# KiCad board digital_board_v1.kicad_pcb (continued)
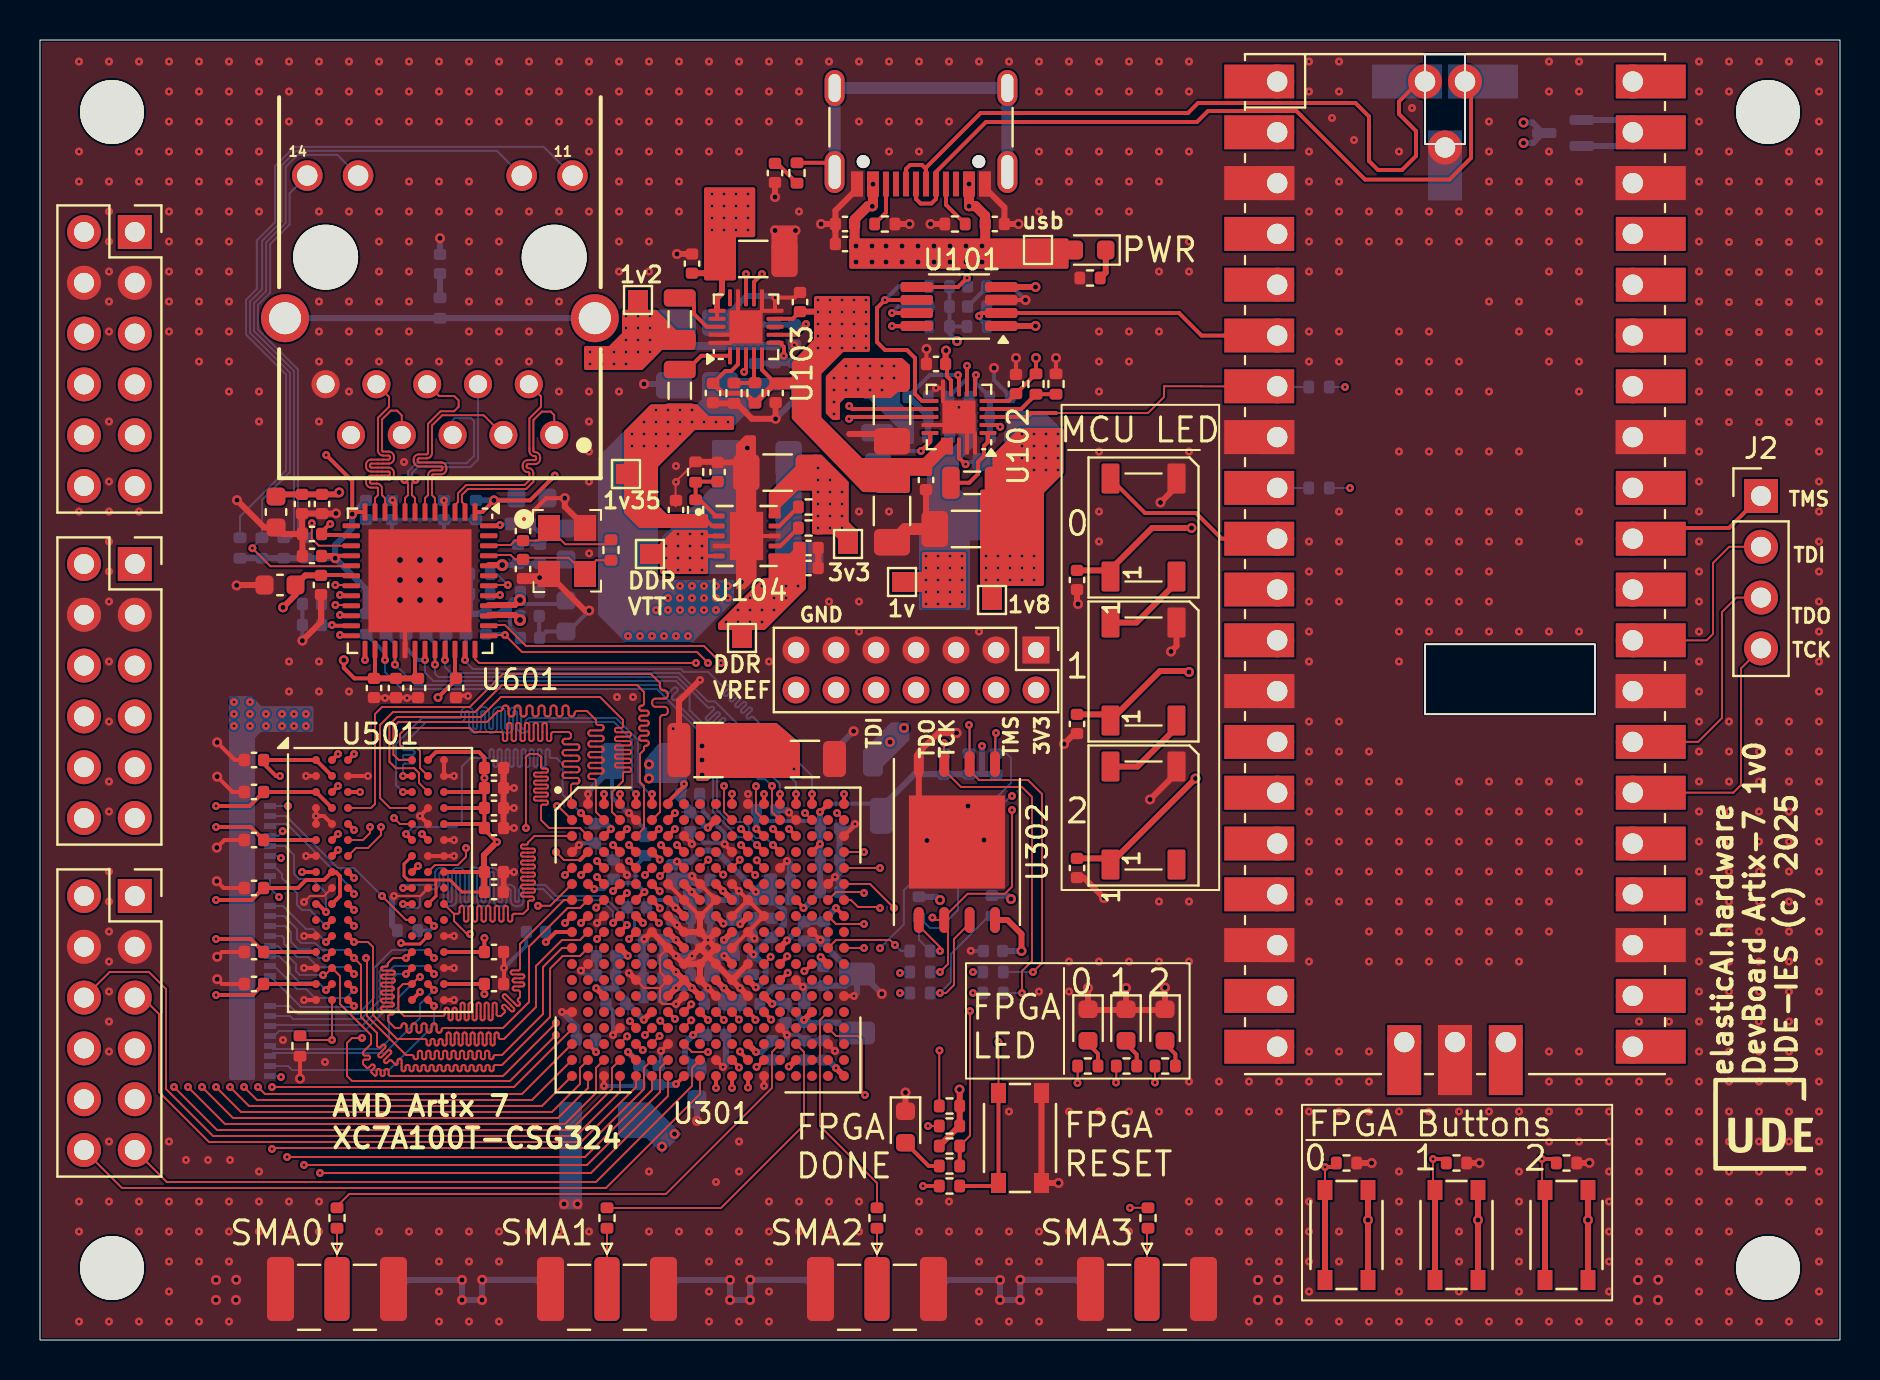
[diagram p0: board, top side]
## Library data of the parts
C101-C121 C124-C131 C144 C201-C207 C301-C328 C401-C428 C501-C514 C601-C628 L101-L105 = -: Description: Unpolarized capacitor; ki_fp_filters: C_*
D8 = -: Datasheet: https://assets.nexperia.com/documents/data-sheet/BAT54W_SER.pdf; Description: Dual schottky barrier diode, common anode, SOT-323; ki_fp_filters: SOT?323*
D201-D203 = -: Datasheet: https://cdn-shop.adafruit.com/datasheets/WS2812B.pdf; Description: RGB LED with integrated controller; ki_fp_filters: LED*WS2812*PLCC*5.0x5.0mm*P3.2mm*
D204 D301-D303 D401 = -: Description: Light emitting diode; ki_fp_filters: LED* LED_SMD:* LED_THT:*
H1-H4 = -: Description: Mounting Hole without connection; ki_fp_filters: MountingHole*
J2 = -: Description: Generic connector, single row, 01x04, script generated (kicad-library-utils/schlib/autogen/connector/); ki_fp_filters: Connector*:*_1x??_*
J3 = -: Datasheet: https://www.usb.org/sites/default/files/documents/usb_type-c.zip; Description: USB Full-Featured Type-C Receptacle connector; ki_fp_filters: USB*C*Receptacle*
J401 = -: Description: IDC10 Pinheader for JTAG Debugging; ki_fp_filters: IDC?Header*2x05* Pin?Header*2x05*
J601 = -: Datasheet: https://www.we-online.com/components/products/datasheet/7499111121A.pdf; Description: RJ45 Header; Author: Antmicro; License: Apache-2.0; MPN: L834-1G1T-S7; Manufacturer: Wuerth Elektronik
R101-R118 R121-R124 R201-R206 R301-R312 R316-R320 R401-R405 R504 R505 R601-R616 = -: Description: Resistor; ki_fp_filters: R_*
R313-R315 = -: ki_fp_filters: R_*
R501-R503 = -: Description: Array of 8 resisters with 51 Ohm; ki_fp_filters: SMD16_EXB2HV_0602X8_PAN SMD16_EXB2HV_0602X8_PAN-M SMD16_EXB2HV_0602X8_PAN-L
S301-S303 S401 = -: Datasheet: https://configured-product-images.s3.amazonaws.com/2D/specs/TL3365AF180QG.pdf; Height: 2.5; Mouser Part Number: 612-TL3365AF180QG; Mouser Price/Stock: https://www.mouser.co.uk/ProductDetail/E-Switch/TL3365AF180QG?qs=xQzBpF%2FAFTo%252BA4IL7l2Rvw%3D%3D; Manufacturer_Name: E-Switch
TP1-TP8 = -: Description: test point (alternative probe-style design); ki_fp_filters: Pin* Test*
U11 = -: Datasheet: https://www.raspberrypi.com/documentation/microcontrollers/raspberry-pi-pico.html; Description: MCU RPi Pico (W)
U101 = -: Datasheet: http://www.ti.com/lit/gpn/lm3881; Description: 3 Rail Simple Power Sequencer with Adjustable Time Delay; Height: 1.1; Mouser Part Number: 926-LM3881MME/NOPB; Mouser Price/Stock: https://www.mouser.co.uk/ProductDetail/Texas-Instruments/LM3881MME-NOPB?qs=QbsRYf82W3H9n%252B5XBS84Kg%3D%3D; Manufacturer_Name: Texas Instruments; Manufacturer_Part_Number: LM3881MME/NOPB
U102 U103 = -: Datasheet: https://www.analog.com/en/products/ltc3569.html
U301 = -: Datasheet: https://docs.amd.com/v/u/en-US/ds181_Artix_7_Data_Sheet; Description: AMD Artix-7 (100T, CSG324)
U302 = -: Datasheet: https://www.mouser.de/datasheet/2/196/Infineon_S25FL128SS25FL256S_128_Mb__16_MB_256_Mb__-3363490.pdf
U501 = -: Datasheet: https://www.alliancememory.com/wp-content/uploads/pdf/ddr3/4GB-AS4C256M16D3.pdf; Manufacturer: Alliance Memory; Author: Antmicro; License: Apache-2.0
U601 = -: Datasheet: http://ww1.microchip.com/downloads/en/DeviceDoc/00002117F.pdf; Manufacturer: Microchip; Author: Antmicro; License: Apache-2.0
Y601 = -: Datasheet: https://www.mouser.pl/datasheet/2/3/ABM8G-1608872.pdf; MPN: ABM8G-25.000MHZ-18-D2Y-T3; Manufacturer: Abracon; Author: Antmicro; License: Apache-2.0; Val: 25.000MHz

## Footprints (pads in the part's own frame, mm; a bottom-side part is the same pattern mirrored in y, then rotated)
BGA-96_9.0x13.0mm_Layout2x3x16_P0.8mm
  round 0.4 smd: A1(-3.2,6) A2(-2.4,6) A3(-1.6,6) A7(1.6,6) A8(2.4,6) A9(3.2,6) B1(-3.2,5.2) B2(-2.4,5.2) B3(-1.6,5.2) B7(1.6,5.2) B8(2.4,5.2) B9(3.2,5.2) C1(-3.2,4.4) C2(-2.4,4.4) C3(-1.6,4.4) C7(1.6,4.4) C8(2.4,4.4) C9(3.2,4.4) D1(-3.2,3.6) D2(-2.4,3.6) D3(-1.6,3.6) D7(1.6,3.6) D8(2.4,3.6) D9(3.2,3.6) E1(-3.2,2.8) E2(-2.4,2.8) E3(-1.6,2.8) E7(1.6,2.8) E8(2.4,2.8) E9(3.2,2.8) F1(-3.2,2) F2(-2.4,2) F3(-1.6,2) F7(1.6,2) F8(2.4,2) F9(3.2,2) G1(-3.2,1.2) G2(-2.4,1.2) G3(-1.6,1.2) G7(1.6,1.2) G8(2.4,1.2) G9(3.2,1.2) H1(-3.2,0.4) H2(-2.4,0.4) H3(-1.6,0.4) H7(1.6,0.4) H8(2.4,0.4) H9(3.2,0.4) J1(-3.2,-0.4) J2(-2.4,-0.4) J3(-1.6,-0.4) J7(1.6,-0.4) J8(2.4,-0.4) J9(3.2,-0.4) K1(-3.2,-1.2) K2(-2.4,-1.2) K3(-1.6,-1.2) K7(1.6,-1.2) K8(2.4,-1.2) K9(3.2,-1.2) L1(-3.2,-2) L2(-2.4,-2) L3(-1.6,-2) L7(1.6,-2) L8(2.4,-2) L9(3.2,-2) M1(-3.2,-2.8) M2(-2.4,-2.8) M3(-1.6,-2.8) M7(1.6,-2.8) M8(2.4,-2.8) M9(3.2,-2.8) N1(-3.2,-3.6) N2(-2.4,-3.6) N3(-1.6,-3.6) N7(1.6,-3.6) N8(2.4,-3.6) N9(3.2,-3.6) P1(-3.2,-4.4) P2(-2.4,-4.4) P3(-1.6,-4.4) P7(1.6,-4.4) P8(2.4,-4.4) P9(3.2,-4.4) R1(-3.2,-5.2) R2(-2.4,-5.2) R3(-1.6,-5.2) R7(1.6,-5.2) R8(2.4,-5.2) R9(3.2,-5.2) T1(-3.2,-6) T2(-2.4,-6) T3(-1.6,-6) T7(1.6,-6) T8(2.4,-6) T9(3.2,-6)
BGA-324_18x18_15.0x15.0mm
  round 0.5 smd: A1(-6.8,6.8) A2(-6,6.8) A3(-5.2,6.8) A4(-4.4,6.8) A5(-3.6,6.8) A6(-2.8,6.8) A7(-2,6.8) A8(-1.2,6.8) A9(-0.4,6.8) A10(0.4,6.8) A11(1.2,6.8) A12(2,6.8) A13(2.8,6.8) A14(3.6,6.8) A15(4.4,6.8) A16(5.2,6.8) A17(6,6.8) A18(6.8,6.8) B1(-6.8,6) B2(-6,6) B3(-5.2,6) B4(-4.4,6) B5(-3.6,6) B6(-2.8,6) B7(-2,6) B8(-1.2,6) B9(-0.4,6) B10(0.4,6) B11(1.2,6) B12(2,6) B13(2.8,6) B14(3.6,6) B15(4.4,6) B16(5.2,6) B17(6,6) B18(6.8,6) C1(-6.8,5.2) C2(-6,5.2) C3(-5.2,5.2) C4(-4.4,5.2) C5(-3.6,5.2) C6(-2.8,5.2) C7(-2,5.2) C8(-1.2,5.2) C9(-0.4,5.2) C10(0.4,5.2) C11(1.2,5.2) C12(2,5.2) C13(2.8,5.2) C14(3.6,5.2) C15(4.4,5.2) C16(5.2,5.2) C17(6,5.2) C18(6.8,5.2) D1(-6.8,4.4) D2(-6,4.4) D3(-5.2,4.4) D4(-4.4,4.4) D5(-3.6,4.4) D6(-2.8,4.4) D7(-2,4.4) D8(-1.2,4.4) D9(-0.4,4.4) D10(0.4,4.4) D11(1.2,4.4) D12(2,4.4) D13(2.8,4.4) D14(3.6,4.4) D15(4.4,4.4) D16(5.2,4.4) D17(6,4.4) D18(6.8,4.4) E1(-6.8,3.6) E2(-6,3.6) E3(-5.2,3.6) E4(-4.4,3.6) E5(-3.6,3.6) E6(-2.8,3.6) E7(-2,3.6) E8(-1.2,3.6) E9(-0.4,3.6) E10(0.4,3.6) E11(1.2,3.6) E12(2,3.6) E13(2.8,3.6) E14(3.6,3.6) E15(4.4,3.6) E16(5.2,3.6) E17(6,3.6) E18(6.8,3.6) F1(-6.8,2.8) F2(-6,2.8) F3(-5.2,2.8) F4(-4.4,2.8) F5(-3.6,2.8) F6(-2.8,2.8) F7(-2,2.8) F8(-1.2,2.8) F9(-0.4,2.8) F10(0.4,2.8) F11(1.2,2.8) F12(2,2.8) F13(2.8,2.8) F14(3.6,2.8) F15(4.4,2.8) F16(5.2,2.8) F17(6,2.8) F18(6.8,2.8) G1(-6.8,2) G2(-6,2) G3(-5.2,2) G4(-4.4,2) G5(-3.6,2) G6(-2.8,2) G7(-2,2) G8(-1.2,2) G9(-0.4,2) G10(0.4,2) G11(1.2,2) G12(2,2) G13(2.8,2) G14(3.6,2) G15(4.4,2) G16(5.2,2) G17(6,2) G18(6.8,2) H1(-6.8,1.2) H2(-6,1.2) H3(-5.2,1.2) H4(-4.4,1.2) H5(-3.6,1.2) H6(-2.8,1.2) H7(-2,1.2) H8(-1.2,1.2) H9(-0.4,1.2) H10(0.4,1.2) H11(1.2,1.2) H12(2,1.2) H13(2.8,1.2) H14(3.6,1.2) H15(4.4,1.2) H16(5.2,1.2) H17(6,1.2) H18(6.8,1.2) J1(-6.8,0.4) J2(-6,0.4) J3(-5.2,0.4) J4(-4.4,0.4) J5(-3.6,0.4) J6(-2.8,0.4) J7(-2,0.4) J8(-1.2,0.4) J9(-0.4,0.4) J10(0.4,0.4) J11(1.2,0.4) J12(2,0.4) J13(2.8,0.4) J14(3.6,0.4) J15(4.4,0.4) J16(5.2,0.4) J17(6,0.4) J18(6.8,0.4) K1(-6.8,-0.4) K2(-6,-0.4) K3(-5.2,-0.4) K4(-4.4,-0.4) K5(-3.6,-0.4) K6(-2.8,-0.4) K7(-2,-0.4) K8(-1.2,-0.4) K9(-0.4,-0.4) K10(0.4,-0.4) K11(1.2,-0.4) K12(2,-0.4) K13(2.8,-0.4) K14(3.6,-0.4) K15(4.4,-0.4) K16(5.2,-0.4) K17(6,-0.4) K18(6.8,-0.4) L1(-6.8,-1.2) L2(-6,-1.2) L3(-5.2,-1.2) L4(-4.4,-1.2) L5(-3.6,-1.2) L6(-2.8,-1.2) L7(-2,-1.2) L8(-1.2,-1.2) L9(-0.4,-1.2) L10(0.4,-1.2) L11(1.2,-1.2) L12(2,-1.2) L13(2.8,-1.2) L14(3.6,-1.2) L15(4.4,-1.2) L16(5.2,-1.2) L17(6,-1.2) L18(6.8,-1.2) M1(-6.8,-2) M2(-6,-2) M3(-5.2,-2) M4(-4.4,-2) M5(-3.6,-2) M6(-2.8,-2) M7(-2,-2) M8(-1.2,-2) M9(-0.4,-2) M10(0.4,-2) M11(1.2,-2) M12(2,-2) M13(2.8,-2) M14(3.6,-2) M15(4.4,-2) M16(5.2,-2) M17(6,-2) M18(6.8,-2) N1(-6.8,-2.8) N2(-6,-2.8) N3(-5.2,-2.8) N4(-4.4,-2.8) N5(-3.6,-2.8) N6(-2.8,-2.8) N7(-2,-2.8) N8(-1.2,-2.8) N9(-0.4,-2.8) N10(0.4,-2.8) N11(1.2,-2.8) N12(2,-2.8) N13(2.8,-2.8) N14(3.6,-2.8) N15(4.4,-2.8) N16(5.2,-2.8) N17(6,-2.8) N18(6.8,-2.8) P1(-6.8,-3.6) P2(-6,-3.6) P3(-5.2,-3.6) P4(-4.4,-3.6) P5(-3.6,-3.6) P6(-2.8,-3.6) P7(-2,-3.6) P8(-1.2,-3.6) P9(-0.4,-3.6) P10(0.4,-3.6) P11(1.2,-3.6) P12(2,-3.6) P13(2.8,-3.6) P14(3.6,-3.6) P15(4.4,-3.6) P16(5.2,-3.6) P17(6,-3.6) P18(6.8,-3.6) R1(-6.8,-4.4) R2(-6,-4.4) R3(-5.2,-4.4) R4(-4.4,-4.4) R5(-3.6,-4.4) R6(-2.8,-4.4) R7(-2,-4.4) R8(-1.2,-4.4) R9(-0.4,-4.4) R10(0.4,-4.4) R11(1.2,-4.4) R12(2,-4.4) R13(2.8,-4.4) R14(3.6,-4.4) R15(4.4,-4.4) R16(5.2,-4.4) R17(6,-4.4) R18(6.8,-4.4) T1(-6.8,-5.2) T2(-6,-5.2) T3(-5.2,-5.2) T4(-4.4,-5.2) T5(-3.6,-5.2) T6(-2.8,-5.2) T7(-2,-5.2) T8(-1.2,-5.2) T9(-0.4,-5.2) T10(0.4,-5.2) T11(1.2,-5.2) T12(2,-5.2) T13(2.8,-5.2) T14(3.6,-5.2) T15(4.4,-5.2) T16(5.2,-5.2) T17(6,-5.2) T18(6.8,-5.2) U1(-6.8,-6) U2(-6,-6) U3(-5.2,-6) U4(-4.4,-6) U5(-3.6,-6) U6(-2.8,-6) U7(-2,-6) U8(-1.2,-6) U9(-0.4,-6) U10(0.4,-6) U11(1.2,-6) U12(2,-6) U13(2.8,-6) U14(3.6,-6) U15(4.4,-6) U16(5.2,-6) U17(6,-6) U18(6.8,-6) V1(-6.8,-6.8) V2(-6,-6.8) V3(-5.2,-6.8) V4(-4.4,-6.8) V5(-3.6,-6.8) V6(-2.8,-6.8) V7(-2,-6.8) V8(-1.2,-6.8) V9(-0.4,-6.8) V10(0.4,-6.8) V11(1.2,-6.8) V12(2,-6.8) V13(2.8,-6.8) V14(3.6,-6.8) V15(4.4,-6.8) V16(5.2,-6.8) V17(6,-6.8) V18(6.8,-6.8)
C_0402_1005Metric
  rrect 0.56x0.62 smd: 1(-0.48,0) 2(0.48,0)
C_0603_1608Metric
  rrect 0.9x0.95 smd: 1(-0.775,0) 2(0.775,0)
C_0805_2012Metric
  rrect 1x1.45 smd: 1(-0.95,0) 2(0.95,0)
C_1206_3216Metric
  rrect 1.15x1.8 smd: 1(-1.475,0) 2(1.475,0)
C_1206_3216Metric_Pad1.33x1.80mm_HandSolder
  rrect 1.325x1.8 smd: 1(-1.562,0) 2(1.562,0)
C_1210_3225Metric
  rrect 1.15x2.7 smd: 1(-1.475,0) 2(1.475,0)
KX-7
  rect 1.3x1.1 smd: 1(-1.1,-0.95) 2(1.2,-0.95) 3(1.2,0.85) 4(-1.1,0.85)
L_0806_2016Metric
  rrect 0.875x1.6 smd: 1(-1.062,0) 2(1.062,0)
LED_0603_1608Metric
  rrect 0.875x0.95 smd: 1(-0.787,0) 2(0.787,0)
LED_WS2812B_PLCC4_5.0x5.0mm_P3.2mm
  rrect 1.5x0.9 smd: 1(-2.45,1.65) 2(-2.45,-1.65) 3(2.45,-1.65) 4(2.45,1.65)
MountingHole_3.2mm_M3
  round 3.2 hole 3.2 unplated: (0,0)
PinHeader_1x04_P2.54mm_Vertical
  rect 1.7x1.7 hole 1: 1(0,0)
  round 1.7 hole 1: 2(0,-2.54) 3(0,-5.08) 4(0,-7.62)
PinHeader_2x07_P2.00mm_Vertical
  rect 1.35x1.35 hole 0.8: 1(0,0)
  round 1.35 hole 0.8: 2(2,0) 3(0,-2) 4(2,-2) 5(0,-4) 6(2,-4) 7(0,-6) 8(2,-6) 9(0,-8) 10(2,-8) 11(0,-10) 12(2,-10) 13(0,-12) 14(2,-12)
PinSocket_2x06_P2.54mm_Vertical
  rect 1.7x1.7 hole 1: 1(0,0)
  round 1.7 hole 1: 2(-2.54,0) 3(0,-2.54) 4(-2.54,-2.54) 5(0,-5.08) 6(-2.54,-5.08) 7(0,-7.62) 8(-2.54,-7.62) 9(0,-10.16) 10(-2.54,-10.16) 11(0,-12.7) 12(-2.54,-12.7)
QFN-20-1EP_3x3mm_P0.4mm_EP1.65x1.65mm
  rrect 0.67x0.67 smd: (-0.41,0.41) (-0.41,-0.41) (0.41,0.41) (0.41,-0.41)
  rrect 0.85x0.2 smd: 1(-1.45,0.8) 2(-1.45,0.4) 3(-1.45,0) 4(-1.45,-0.4) 5(-1.45,-0.8) 11(1.45,-0.8) 12(1.45,-0.4) 13(1.45,0) 14(1.45,0.4) 15(1.45,0.8)
  rrect 0.2x0.85 smd: 6(-0.8,-1.45) 7(-0.4,-1.45) 8(0,-1.45) 9(0.4,-1.45) 10(0.8,-1.45) 16(0.8,1.45) 17(0.4,1.45) 18(0,1.45) 19(-0.4,1.45) 20(-0.8,1.45)
  rect 1.65x1.65 smd: 21(0,0)
QFN-48-1EP_7x7mm_P0.5mm_EP5.15x5.15mm
  rrect 1.04x1.04 smd: (-1.935,1.935) (-1.935,0.645) (-1.935,-0.645) (-1.935,-1.935) (-0.645,1.935) (-0.645,0.645) (-0.645,-0.645) (-0.645,-1.935) (0.645,1.935) (0.645,0.645) (0.645,-0.645) (0.645,-1.935) (1.935,1.935) (1.935,0.645) (1.935,-0.645) (1.935,-1.935)
  rrect 0.875x0.25 smd: 1(-3.438,2.75) 2(-3.438,2.25) 3(-3.438,1.75) 4(-3.438,1.25) 5(-3.438,0.75) 6(-3.438,0.25) 7(-3.438,-0.25) 8(-3.438,-0.75) 9(-3.438,-1.25) 10(-3.438,-1.75) 11(-3.438,-2.25) 12(-3.438,-2.75) 25(3.438,-2.75) 26(3.438,-2.25) 27(3.438,-1.75) 28(3.438,-1.25) 29(3.438,-0.75) 30(3.438,-0.25) 31(3.438,0.25) 32(3.438,0.75) 33(3.438,1.25) 34(3.438,1.75) 35(3.438,2.25) 36(3.438,2.75)
  rrect 0.25x0.875 smd: 13(-2.75,-3.438) 14(-2.25,-3.438) 15(-1.75,-3.438) 16(-1.25,-3.438) 17(-0.75,-3.438) 18(-0.25,-3.438) 19(0.25,-3.438) 20(0.75,-3.438) 21(1.25,-3.438) 22(1.75,-3.438) 23(2.25,-3.438) 24(2.75,-3.438) 37(2.75,3.438) 38(2.25,3.438) 39(1.75,3.438) 40(1.25,3.438) 41(0.75,3.438) 42(0.25,3.438) 43(-0.25,3.438) 44(-0.75,3.438) 45(-1.25,3.438) 46(-1.75,3.438) 47(-2.25,3.438) 48(-2.75,3.438)
  rect 5.15x5.15 smd: 49(0,0)
R_0402_1005Metric
  rrect 0.54x0.64 smd: 1(-0.51,0) 2(0.51,0)
RJ45_7499111121A
  round 3.25 hole 3.25 unplated: (-5.715,0) (5.715,0)
  round 1.408 hole 0.9: 1(5.715,-8.89) 2(4.445,-6.35) 3(3.175,-8.89) 4(1.905,-6.35) 5(0.635,-8.89) 6(-0.635,-6.35) 7(-1.905,-8.89) 8(-3.175,-6.35) 9(-4.445,-8.89) 10(-5.715,-6.35)
  round 1.53 hole 1.02: 11(6.63,4.08) 12(4.09,4.08) 13(-4.09,4.08) 14(-6.63,4.08)
  round 2.4 hole 1.6: Z1(-7.745,-3.05) Z2(7.745,-3.05)
RPi_Pico_SMD_TH_wUSB_TP
  oval 1.7x1.7 hole 1.02: 1(-8.89,24.13) 2(-8.89,21.59) 4(-8.89,16.51) 5(-8.89,13.97) 6(-8.89,11.43) 7(-8.89,8.89) 9(-8.89,3.81) 10(-8.89,1.27) 11(-8.89,-1.27) 12(-8.89,-3.81) 14(-8.89,-8.89) 15(-8.89,-11.43) 16(-8.89,-13.97) 17(-8.89,-16.51) 19(-8.89,-21.59) 20(-8.89,-24.13) 21(8.89,-24.13) 22(8.89,-21.59) 24(8.89,-16.51) 25(8.89,-13.97) 26(8.89,-11.43) 27(8.89,-8.89) 29(8.89,-3.81) 30(8.89,-1.27) 31(8.89,1.27) 32(8.89,3.81) 34(8.89,8.89) 35(8.89,11.43) 36(8.89,13.97) 37(8.89,16.51) 39(8.89,21.59) 40(8.89,24.13) 41(-2.54,-23.9) 43(2.54,-23.9) TP1(-0.5,20.83) TP2(0.5,24.13) TP3(-1.5,24.13)
  rect 3.5x1.7 smd: 1(-8.89,24.13) 2(-8.89,21.59) 3(-8.89,19.05) 4(-8.89,16.51) 5(-8.89,13.97) 6(-8.89,11.43) 7(-8.89,8.89) 8(-8.89,6.35) 9(-8.89,3.81) 10(-8.89,1.27) 11(-8.89,-1.27) 12(-8.89,-3.81) 13(-8.89,-6.35) 14(-8.89,-8.89) 15(-8.89,-11.43) 16(-8.89,-13.97) 17(-8.89,-16.51) 18(-8.89,-19.05) 19(-8.89,-21.59) 20(-8.89,-24.13) 21(8.89,-24.13) 22(8.89,-21.59) 23(8.89,-19.05) 24(8.89,-16.51) 25(8.89,-13.97) 26(8.89,-11.43) 27(8.89,-8.89) 28(8.89,-6.35) 29(8.89,-3.81) 30(8.89,-1.27) 31(8.89,1.27) 32(8.89,3.81) 33(8.89,6.35) 34(8.89,8.89) 35(8.89,11.43) 36(8.89,13.97) 37(8.89,16.51) 38(8.89,19.05) 39(8.89,21.59) 40(8.89,24.13)
  rect 1.7x1.7 hole 1.02: 3(-8.89,19.05) 8(-8.89,6.35) 13(-8.89,-6.35) 18(-8.89,-19.05) 23(8.89,-19.05) 28(8.89,-6.35) 33(8.89,6.35) 38(8.89,19.05) 42(0,-23.9)
  rect 1.7x3.5 smd: 41(-2.54,-23.9) 42(0,-23.9) 43(2.54,-23.9)
  rect 1.7x3.5 smd far side: TP1(-0.5,20.83)
  rect 3.5x1.7 smd far side: TP2(0.5,24.13) TP3(-1.5,24.13)
SMA_Samtec_SMA-J-P-H-ST-EM1_EdgeMount
  rrect 3.2x1.27 smd: 1(-0.5,0)
  rrect 3.2x1.35 smd: 2(-0.5,2.825) 2(-0.5,-2.825)
  rrect 3.2x1.35 smd far side: 2(-0.5,2.825) 2(-0.5,-2.825)
SMD16_EXB2HV_0602X8_PAN
  rect 0.6x0.28 smd: 1(-0.85,1.75) 2(-0.85,1.25) 3(-0.85,0.75) 4(-0.85,0.25) 5(-0.85,-0.25) 6(-0.85,-0.75) 7(-0.85,-1.25) 8(-0.85,-1.75) 9(0.85,-1.75) 10(0.85,-1.25) 11(0.85,-0.75) 12(0.85,-0.25) 13(0.85,0.25) 14(0.85,0.75) 15(0.85,1.25) 16(0.85,1.75)
SOT-323_SC-70
  rrect 1.225x0.5 smd: 1(-0.938,0.65) 2(-0.938,-0.65) 3(0.938,0)
TACTILE-SWITCH
  rect 1x0.75 smd: 1(-2.25,-1.075) 2(2.25,-1.075) 3(-2.25,1.075) 4(2.25,1.075)
TestPoint_Pad_1.0x1.0mm
  rect 1x1 smd: 1(0,0)
USB_C_Receptacle_16P
  round 0.65 hole 0.65 unplated: (-2.89,2.605) (2.89,2.605)
  rect 0.6x1.24 smd: A1(-3.2,3.725) A4(-2.4,3.725) A9(2.4,3.725) A12(3.2,3.725) B1(3.2,3.725) B4(2.4,3.725) B9(-2.4,3.725) B12(-3.2,3.725)
  rect 0.3x1.24 smd: A5(-1.25,3.725) A6(-0.25,3.725) A7(0.25,3.725) A8(1.25,3.725) B5(1.75,3.725) B6(0.75,3.725) B7(-0.75,3.725) B8(-1.75,3.725)
  oval 1x2.1 hole 0.6x1.7: S1(-4.32,3.125) S1(4.32,3.125)
  oval 1x1.8 hole 0.6x1.4: S1(-4.32,-1.075) S1(4.32,-1.075)
VSON-10-TPS51200DRCR
  rrect 0.6x0.24 smd: 1(-1.4,1) 2(-1.4,0.5) 3(-1.4,0) 4(-1.4,-0.5) 5(-1.4,-1) 6(1.4,-1) 7(1.4,-0.5) 8(1.4,0) 9(1.4,0.5) 10(1.4,1)
  custom 1.66x3.41 smd: 11(0,0)
VSSOP-8_3x3mm_P0.65mm
  rrect 1.625x0.5 smd: 1(-2.112,0.975) 2(-2.112,0.325) 3(-2.112,-0.325) 4(-2.112,-0.975) 5(2.112,-0.975) 6(2.112,-0.325) 7(2.112,0.325) 8(2.112,0.975)
WSON-8_EP_8x6_Pitch1.27mm
  rect 0.412x0.45 smd: (-1.744,1.8) (-1.744,0.6) (-1.744,-0.6) (-1.744,-1.8) (-0.581,1.8) (-0.581,0.6) (-0.581,-0.6) (-0.581,-1.8) (0.581,1.8) (0.581,0.6) (0.581,-0.6) (0.581,-1.8) (1.744,1.8) (1.744,0.6) (1.744,-0.6) (1.744,-1.8)
  oval 1.3x0.5 smd: 1(-3.9,1.905) 2(-3.9,0.635) 3(-3.9,-0.635) 4(-3.9,-1.905) 5(3.9,-1.905) 6(3.9,-0.635) 7(3.9,0.635) 8(3.9,1.905)
  rect 4.65x4.8 smd: 9(0,0)

## Nets
/MCU/3V3_MCU: R204.1 R205.1 U11.36
/VCC_1V: C107.1 C108.1 C411.1 C412.1 C413.1 C414.1 C415.1 C416.1 C417.1 C418.1 C419.1 C420.1 C421.1 C422.1 C423.1 C424.1 C425.1 C426.1 C427.1 C428.1 L101.1 R107.1 TP1.1 U301.F8 U301.F10 U301.G7 U301.G9 U301.G11 U301.H8 U301.J7 U301.J11 U301.K8 U301.L7 U301.L11 U301.M8 U301.M10 U301.N7 U301.N9 U301.N11
/VCC_1V2: C118.1 C119.1 C609.1 C610.1 C611.1 C612.1 C613.1 C614.1 C615.1 C616.1 C617.1 C618.1 C619.1 C620.1 C621.1 C622.1 C623.1 C624.1 C625.1 L104.1 R115.1 TP4.1 U601.4 U601.9 U601.14 U601.18 U601.23 U601.26 U601.30 U601.39 U601.44
/VCC_1V8: C109.1 C110.1 C403.1 C404.1 C405.1 C406.1 C407.1 C408.1 C409.1 C410.1 L102.1 R109.1 TP2.1 U301.E8 U301.F12 U301.H10 U301.H12 U301.K12 U301.M12
GND: C101.2 C102.2 C103.2 C104.2 C105.2 C106.1 C108.2 C110.2 C112.2 C113.1 C114.1 C115.2 C116.2 C117.1 C119.2 C121.2 C124.2 C125.2 C126.2 C127.2 C128.2 C129.2 C130.2 C131.2 C144.2 C201.2 C202.2 C203.2 C204.2 C205.2 C206.2 C207.2 C301.1 C302.1 C303.1 C304.1 C305.1 C306.1 C307.1 C308.1 C309.1 C310.1 C311.1 C312.1 C313.1 C314.1 C315.1 C316.1 C317.1 C318.1 C319.1 C320.1 C321.1 C322.1 C323.1 C324.1 C325.1 C326.1 C327.1 C328.1 C401.2 C402.2 C403.2 C404.2 C405.2 C406.2 C407.2 C408.2 C409.2 C410.2 C411.2 C412.2 C413.2 C414.2 C415.2 C416.2 C417.2 C418.2 C419.2 C420.2 C421.2 C422.2 C423.2 C424.2 C425.2 C426.2 C427.2 C428.2 C501.1 C502.1 C503.1 C504.1 C505.1 C506.1 C507.1 C508.1 C509.1 C510.1 C511.1 C512.1 C513.1 C514.1 C601.2 C602.2 C603.2 C604.2 C605.2 C606.2 C607.2 C608.2 C609.2 C610.2 C611.2 C612.2 C613.2 C614.2 C615.2 C616.2 C617.2 C618.2 C619.2 C620.2 C621.2 C622.2 C623.2 C624.2 C625.2 C626.2 C627.2 C628.2 D201.3 D202.3 D203.3 D301.1 D302.1 D303.1 D401.1 J3.A1 J3.A12 J3.B1 J3.B12 J301.2 J302.2 J303.2 J304.2 J305.3 J305.4 J306.3 J306.4 J307.3 J307.4 J401.1 J401.3 J401.5 J401.7 J401.9 J401.11 J401.13 J601.10 R106.2 R108.2 R110.2 R112.2 R114.2 R116.2 R118.2 R123.2 R201.2 R202.2 R206.2 R313.1 R314.1 R315.1 R504.2 R505.1 R613.1 S401.1 S401.2 U11.3 U11.8 U11.13 U11.18 U11.23 U11.28 U11.33 U11.38 U11.42 U11.TP1 U101.3 U102.10 U102.14 U102.19 U102.20 U102.21 U103.10 U103.11 U103.14 U103.19 U103.20 U103.21 U104.4 U104.8 U104.11 U301.A2 U301.A12 U301.B5 U301.B15 U301.C8 U301.C18 U301.D1 U301.D11 U301.E4 U301.E14 U301.F7 U301.F9 U301.F11 U301.F17 U301.G8 U301.G10 U301.G12 U301.H3 U301.H7 U301.H9 U301.H11 U301.H13 U301.J6 U301.J8 U301.J9 U301.J10 U301.J12 U301.J16 U301.K7 U301.K9 U301.K10 U301.K11 U301.L2 U301.L8 U301.L9 U301.L10 U301.L12 U301.M5 U301.M7 U301.M9 U301.M11 U301.M15 U301.N8 U301.N10 U301.N12 U301.N18 U301.P1 U301.R4 U301.R14 U301.T7 U301.T17 U301.U10 U301.V3 U301.V13 U302.4 U302.9 U501.A9 U501.B1 U501.B3 U501.B9 U501.D1 U501.D8 U501.E1 U501.E2 U501.E8 U501.F9 U501.G1 U501.G8 U501.G9 U501.J2 U501.J8 U501.M1 U501.M9 U501.P1 U501.P9 U501.T1 U501.T9 U601.29 U601.49 Y601.2 Y601.4
VCC_3V3: C111.1 C112.1 C124.1 C144.1 C301.2 C302.2 C303.2 C304.2 C305.2 C306.2 C307.2 C308.2 C309.2 C310.2 C311.2 C312.2 C313.2 C314.2 C315.2 C316.2 C317.2 C318.2 C319.2 C320.2 C321.2 C322.2 C323.2 C324.2 C325.2 C326.2 C327.2 C328.2 C401.1 C402.1 C601.1 C602.1 C603.1 C604.1 C605.1 C606.1 C607.1 C608.1 J305.1 J305.2 J306.1 J306.2 J307.1 J307.2 J401.2 L103.1 R111.1 R121.1 R124.1 R316.1 R317.1 R318.1 R319.1 R320.1 R401.1 R403.1 R404.1 R405.1 R601.2 R602.2 R603.2 R604.2 R605.2 R606.2 R607.2 R608.2 R609.2 R610.2 R611.2 R615.2 R616.2 S301.1 S301.2 S302.1 S302.2 S303.1 S303.2 TP3.1 U104.10 U301.A7 U301.A17 U301.B10 U301.C3 U301.C13 U301.D6 U301.D16 U301.F2 U301.G5 U301.G15 U301.H18 U301.J1 U301.K4 U301.K14 U301.L17 U301.N3 U301.N13 U301.P6 U301.P16 U301.R9 U301.T2 U301.T12 U301.U5 U301.U15 U301.V8 U301.V18 U302.8 U601.1 U601.12 U601.16 U601.34 U601.40
/Board PWR/EN_1V: R102.2 U101.8 U102.13
/Board PWR/EN_1V8: R103.2 U101.7 U102.12
/Board PWR/EN_3V3: R104.2 U101.6 U102.11
/DDR3_VTT: C127.1 C128.1 C129.1 R501.1 R501.2 R501.3 R501.4 R501.5 R501.6 R501.7 R501.8 R502.1 R502.2 R502.3 R502.4 R502.5 R502.6 R502.7 R502.8 R503.1 R503.2 R503.3 R503.4 R503.5 R503.6 R503.7 R503.8 TP6.1 U104.3 U104.5
/DDR_VDD: C120.1 C121.1 C126.1 C501.2 C502.2 C503.2 C504.2 C505.2 C506.2 C507.2 C508.2 C509.2 C510.2 C511.2 C512.2 C513.2 C514.2 L105.1 R117.1 R122.1 TP5.1 U104.2 U501.A1 U501.A8 U501.B2 U501.C1 U501.C9 U501.D2 U501.D9 U501.E9 U501.F1 U501.G7 U501.H2 U501.H9 U501.K2 U501.K8 U501.N1 U501.N9 U501.R1 U501.R9
/DDR_VREF: C130.1 C131.1 TP7.1 U104.6 U501.H1 U501.M8
/Ethernet/ETH_LED1: J601.12 R605.1 U601.17
/Ethernet/ETH_LED2: J601.14 R606.1 U601.15
/Ethernet/ETH_TRX0_N: J601.2 U601.3
/Ethernet/ETH_TRX0_P: J601.1 U601.2
/Ethernet/ETH_TRX1_N: J601.6 U601.6
/Ethernet/ETH_TRX1_P: J601.3 U601.5
/Ethernet/ETH_TRX2_N: J601.5 U601.8
/Ethernet/ETH_TRX2_P: J601.4 U601.7
/Ethernet/ETH_TRX3_N: J601.8 U601.11
/Ethernet/ETH_TRX3_P: J601.7 U601.10
/Ethernet/QRZ_ETH_N: C627.1 R614.2 U601.45 Y601.3
/Ethernet/QRZ_ETH_P: C626.1 R614.1 U601.46 Y601.1
/FPGA IO-Bank 1/FL_QSPI_DQ2: R303.1 R317.2 U302.3
/FPGA IO-Bank 1/FL_QSPI_DQ3: R304.1 R316.2 U302.7
/FPGA IO-Bank 1/FPGA_BUTTON0: R313.2 S301.3 S301.4 U301.V10
/FPGA IO-Bank 1/FPGA_BUTTON1: R314.2 S302.3 S302.4 U301.V11
/FPGA IO-Bank 1/FPGA_BUTTON2: R315.2 S303.3 S303.4 U301.U11
/FPGA IO-Bank 1/FPGA_LED0: R306.1 U301.V12
/FPGA IO-Bank 1/FPGA_LED1: R307.1 U301.U12
/FPGA IO-Bank 1/FPGA_LED2: R308.1 U301.U13
/FPGA IO-Bank 1/PMOD1_D0: J305.5 U301.R1
/FPGA IO-Bank 1/PMOD1_D1: J305.6 U301.T1
/FPGA IO-Bank 1/PMOD1_D2: J305.7 U301.U1
/FPGA IO-Bank 1/PMOD1_D3: J305.8 U301.V1
/FPGA IO-Bank 1/PMOD1_D4: J305.9 U301.U2
/FPGA IO-Bank 1/PMOD1_D5: J305.10 U301.V2
/FPGA IO-Bank 1/PMOD1_D6: J305.11 U301.U4
/FPGA IO-Bank 1/PMOD1_D7: J305.12 U301.U3
/FPGA IO-Bank 1/PMOD2_D0: J306.5 U301.V5
/FPGA IO-Bank 1/PMOD2_D1: J306.6 U301.V4
/FPGA IO-Bank 1/PMOD2_D2: J306.7 U301.V7
/FPGA IO-Bank 1/PMOD2_D3: J306.8 U301.V6
/FPGA IO-Bank 1/PMOD2_D4: J306.9 U301.U7
/FPGA IO-Bank 1/PMOD2_D5: J306.10 U301.U6
/FPGA IO-Bank 1/PMOD2_D6: J306.11 U301.U9
/FPGA IO-Bank 1/PMOD2_D7: J306.12 U301.V9
/FPGA IO-Bank 1/PMOD3_D0: J307.5 U301.T5
/FPGA IO-Bank 1/PMOD3_D1: J307.6 U301.T4
/FPGA IO-Bank 1/PMOD3_D2: J307.7 U301.R6
/FPGA IO-Bank 1/PMOD3_D3: J307.8 U301.R5
/FPGA IO-Bank 1/PMOD3_D4: J307.9 U301.R7
/FPGA IO-Bank 1/PMOD3_D5: J307.10 U301.T6
/FPGA IO-Bank 1/PMOD3_D6: J307.11 U301.R8
/FPGA IO-Bank 1/PMOD3_D7: J307.12 U301.T8
/FPGA IO-Bank 1/SMA1: R309.1 U301.T14
/FPGA IO-Bank 1/SMA2: R310.1 U301.T15
/FPGA IO-Bank 1/SMA3: R311.1 U301.P17
/FPGA IO-Bank 1/SMA4: R312.1 U301.R17
/FPGA IO-Bank 2/F_CFGBVS: R405.2 U301.P8
/FPGA IO-Bank 2/FPGA_JTAG_TCK: J401.6 U301.E10
/FPGA IO-Bank 2/FPGA_JTAG_TDI: J401.10 U301.E11
/FPGA IO-Bank 2/FPGA_JTAG_TDO: J401.8 U301.E13
/FPGA IO-Bank 2/FPGA_JTAG_TMS: J401.4 U301.E12
/MCU/MCU_JTAG_TCK: J2.4 U11.26
/MCU/MCU_JTAG_TDI: J2.2 U11.29
/MCU/MCU_JTAG_TDO: J2.3 U11.27
/MCU/MCU_JTAG_TMS: J2.1 U11.31
/MCU/MCU_LEDS: D201.4 U11.10
/MCU/USB0_DN: J3.A7 J3.B7 U11.TP2
/MCU/USB0_DP: J3.A6 J3.B6 U11.TP3
DDR3_A0: R503.10 U301.K2 U501.N3
DDR3_A1: R501.12 U301.D2 U501.P7
DDR3_A2: R503.12 U301.H5 U501.P3
DDR3_A3: R503.11 U301.J5 U501.N2
DDR3_A4: R501.11 U301.E1 U501.P8
DDR3_A5: R503.13 U301.H2 U501.P2
DDR3_A6: R501.14 U301.E2 U501.R8
DDR3_A7: R503.14 U301.J3 U501.R2
DDR3_A8: R501.15 U301.F1 U501.T8
DDR3_A9: R503.15 U301.H6 U501.R3
DDR3_A10: R502.10 U301.C2 U501.L7
DDR3_A11: R501.13 U301.G1 U501.R7
DDR3_A12: R501.10 U301.G2 U501.N7
DDR3_A13: R503.16 U301.G6 U501.T3
DDR3_A14: R501.16 U301.F3 U501.T7
DDR3_BA0: R503.9 U301.K1 U501.M2
DDR3_BA1: R501.9 U301.E6 U501.N8
DDR3_BA2: R502.16 U301.J2 U501.M3
DDR3_CAS: R502.12 U301.G3 U501.K3
DDR3_CKE: R502.9 U301.C1 U501.K9
DDR3_CLK_N: U301.H4 U501.K7
DDR3_CLK_P: U301.J4 U501.J7
DDR3_CS: R502.15 U501.L2
DDR3_DM0: U301.D7 U501.E7
DDR3_DM1: U301.B6 U501.D3
DDR3_DQ0: U301.C4 U501.E3
DDR3_DQ1: U301.B2 U501.F7
DDR3_DQ2: U301.D5 U501.F2
DDR3_DQ3: U301.B1 U501.F8
DDR3_DQ4: U301.E5 U501.H3
DDR3_DQ5: U301.E3 U501.H8
DDR3_DQ6: U301.D4 U501.G2
DDR3_DQ7: U301.E7 U501.H7
DDR3_DQ8: U301.C5 U501.D7
DDR3_DQ9: U301.C6 U501.C3
DDR3_DQ10: U301.B4 U501.C8
DDR3_DQ11: U301.B7 U501.C2
DDR3_DQ12: U301.B3 U501.A7
DDR3_DQ13: U301.C7 U501.A2
DDR3_DQ14: U301.A1 U501.B8
DDR3_DQ15: U301.D8 U501.A3
DDR3_DQS0_N: U301.A3 U501.G3
DDR3_DQS0_P: U301.A4 U501.F3
DDR3_DQS1_N: U301.A5 U501.B7
DDR3_DQS1_P: U301.A6 U501.C7
DDR3_ODT: R502.13 U301.H1 U501.K1
DDR3_RAS: R502.11 U301.F4 U501.J3
DDR3_RESET: R504.1 U301.F6 U501.T2
DDR3_WE: R502.14 U301.G4 U501.L3
EN_1V2: U11.32 U103.13
EN_1V35: U11.34 U103.12
ETH_INT_N: U301.B16 U601.38
ETH_MDC: U301.C14 U601.36
ETH_MDIO: R615.1 U301.C15 U601.37
ETH_~{RESET}: R616.1 U301.A18 U601.42
FPGA-MCU_GP6: U301.E17
FPGA-MCU_GP7: U301.D17
FPGA-MCU_GP8: U11.11 U301.E18
FPGA-MCU_GP9: U11.12 U301.D18
FPGA-MCU_GP10: U11.14 U301.G18
FPGA-MCU_GP11: U11.15 U301.F18
FPGA-MCU_GP12: U11.16 U301.H17
FPGA-MCU_GP13: U11.17 U301.G17
MCU-F_DONE: R401.2 R402.1 U11.19 U301.P10
MCU-F_INIT_B: R403.2 U11.20 U301.P7
MCU-F_M0: U11.22 U301.P11
MCU-F_M1: U11.24 U301.P13
MCU-F_M2: U11.25 U301.P12
MCU-F_PROGRAM_B: R404.2 S401.3 S401.4 U11.21 U301.P9
MCU_GP0_SPI0-MISO: R302.1 R319.2 U11.1 U302.2
MCU_GP1_SPI0-CSn: R320.2 U11.2 U301.L13 U302.1
MCU_GP2_SPI0-SCK: R305.1 U11.4 U301.E9 U302.6
MCU_GP3_SPI0-MOSI: R301.1 R318.2 U11.5 U302.5
PGOOD_1: R204.2 U11.7 U102.3
PGOOD_2: R205.2 U11.9 U103.3
PWR_SEQ_EN: C101.1 R101.2 U11.6 U101.2
RGMII_REF_CLK: R609.1 U301.B18 U601.41
RGMII_RX_CLK: R607.1 U301.A16 U601.35
RGMII_RX_DV: R608.1 U301.A15 U601.33
RGMII_RXD0: R601.1 U301.A14 U601.32
RGMII_RXD1: R602.1 U301.B14 U601.31
RGMII_RXD2: R603.1 U301.D14 U601.28
RGMII_RXD3: R604.1 U301.D13 U601.27
RGMII_TX_CLK: U301.C12 U601.24
RGMII_TX_DV: U301.D12 U601.25
RGMII_TXD0: U301.A13 U601.19
RGMII_TXD1: U301.B13 U601.20
RGMII_TXD2: U301.A11 U601.21
RGMII_TXD3: U301.B11 U601.22
USB_VCC: C103.1 C104.1 C105.1 C106.2 C113.2 C114.2 C115.1 C116.1 C117.2 C201.1 C202.1 C203.1 C205.1 C206.1 C207.1 D8.3 D201.1 D202.1 D203.1 D204.2 J3.A4 J3.A9 J3.B4 J3.B9 R101.1 R102.1 R103.1 R104.1 R105.1 R113.1 TP8.1 U101.1 U101.4 U102.2 U102.5 U102.9 U102.16 U102.17 U103.2 U103.5 U103.9 U103.16 U103.17
Net-(C204-Pad1): C204.1 R203.2
Net-(C628-Pad1): C628.1 R612.2
Net-(D201-DOUT): D201.2 D202.4
Net-(D202-DOUT): D202.2 D203.4
Net-(D204-K): D204.1 R206.1
Net-(D301-A): D301.2 R306.2
Net-(D302-A): D302.2 R307.2
Net-(D303-A): D303.2 R308.2
Net-(D401-A): D401.2 R402.2
Net-(J3-CC1): J3.A5 R202.1
Net-(J3-CC2): J3.B5 R201.1
Net-(J3-SHIELD): J3.S1 R203.1
Net-(J301-SIG): J301.1 R309.2
Net-(J302-SIG): J302.1 R310.2
Net-(J303-SIG): J303.1 R311.2
Net-(J304-SIG): J304.1 R312.2
Net-(J601-Pad11): J601.11 R610.1
Net-(J601-Pad13): J601.13 R611.1
Net-(J601-SH-PadZ1): J601.Z1 J601.Z2 R612.1
Net-(U11-VSYS): D8.1 D8.2 U11.39
Net-(U101-TADJ): C102.1 U101.5
Net-(U102-FB1): C107.2 R107.2 R108.1 U102.7
Net-(U102-FB2): C109.2 R109.2 R110.1 U102.6
Net-(U102-FB3): C111.2 R111.2 R112.1 U102.8
Net-(U102-MODE): R105.2 R106.1 U102.4
Net-(U102-SW1): L101.2 U102.18
Net-(U102-SW2): L102.2 U102.1
Net-(U102-SW3): L103.2 U102.15
Net-(U103-FB1): C118.2 R115.2 R116.1 U103.7
Net-(U103-FB2): C120.2 R117.2 R118.1 U103.6
Net-(U103-FB3): U103.8
Net-(U103-MODE): R113.2 R114.1 U103.4
Net-(U103-SW1): L104.2 U103.18
Net-(U103-SW2): L105.2 U103.1
Net-(U103-SW3): U103.15
Net-(U104-EN): R121.2 U104.7
Net-(U104-PGOOD): R124.2 U104.9